# KiCad board ergodonk_pico.kicad_pcb
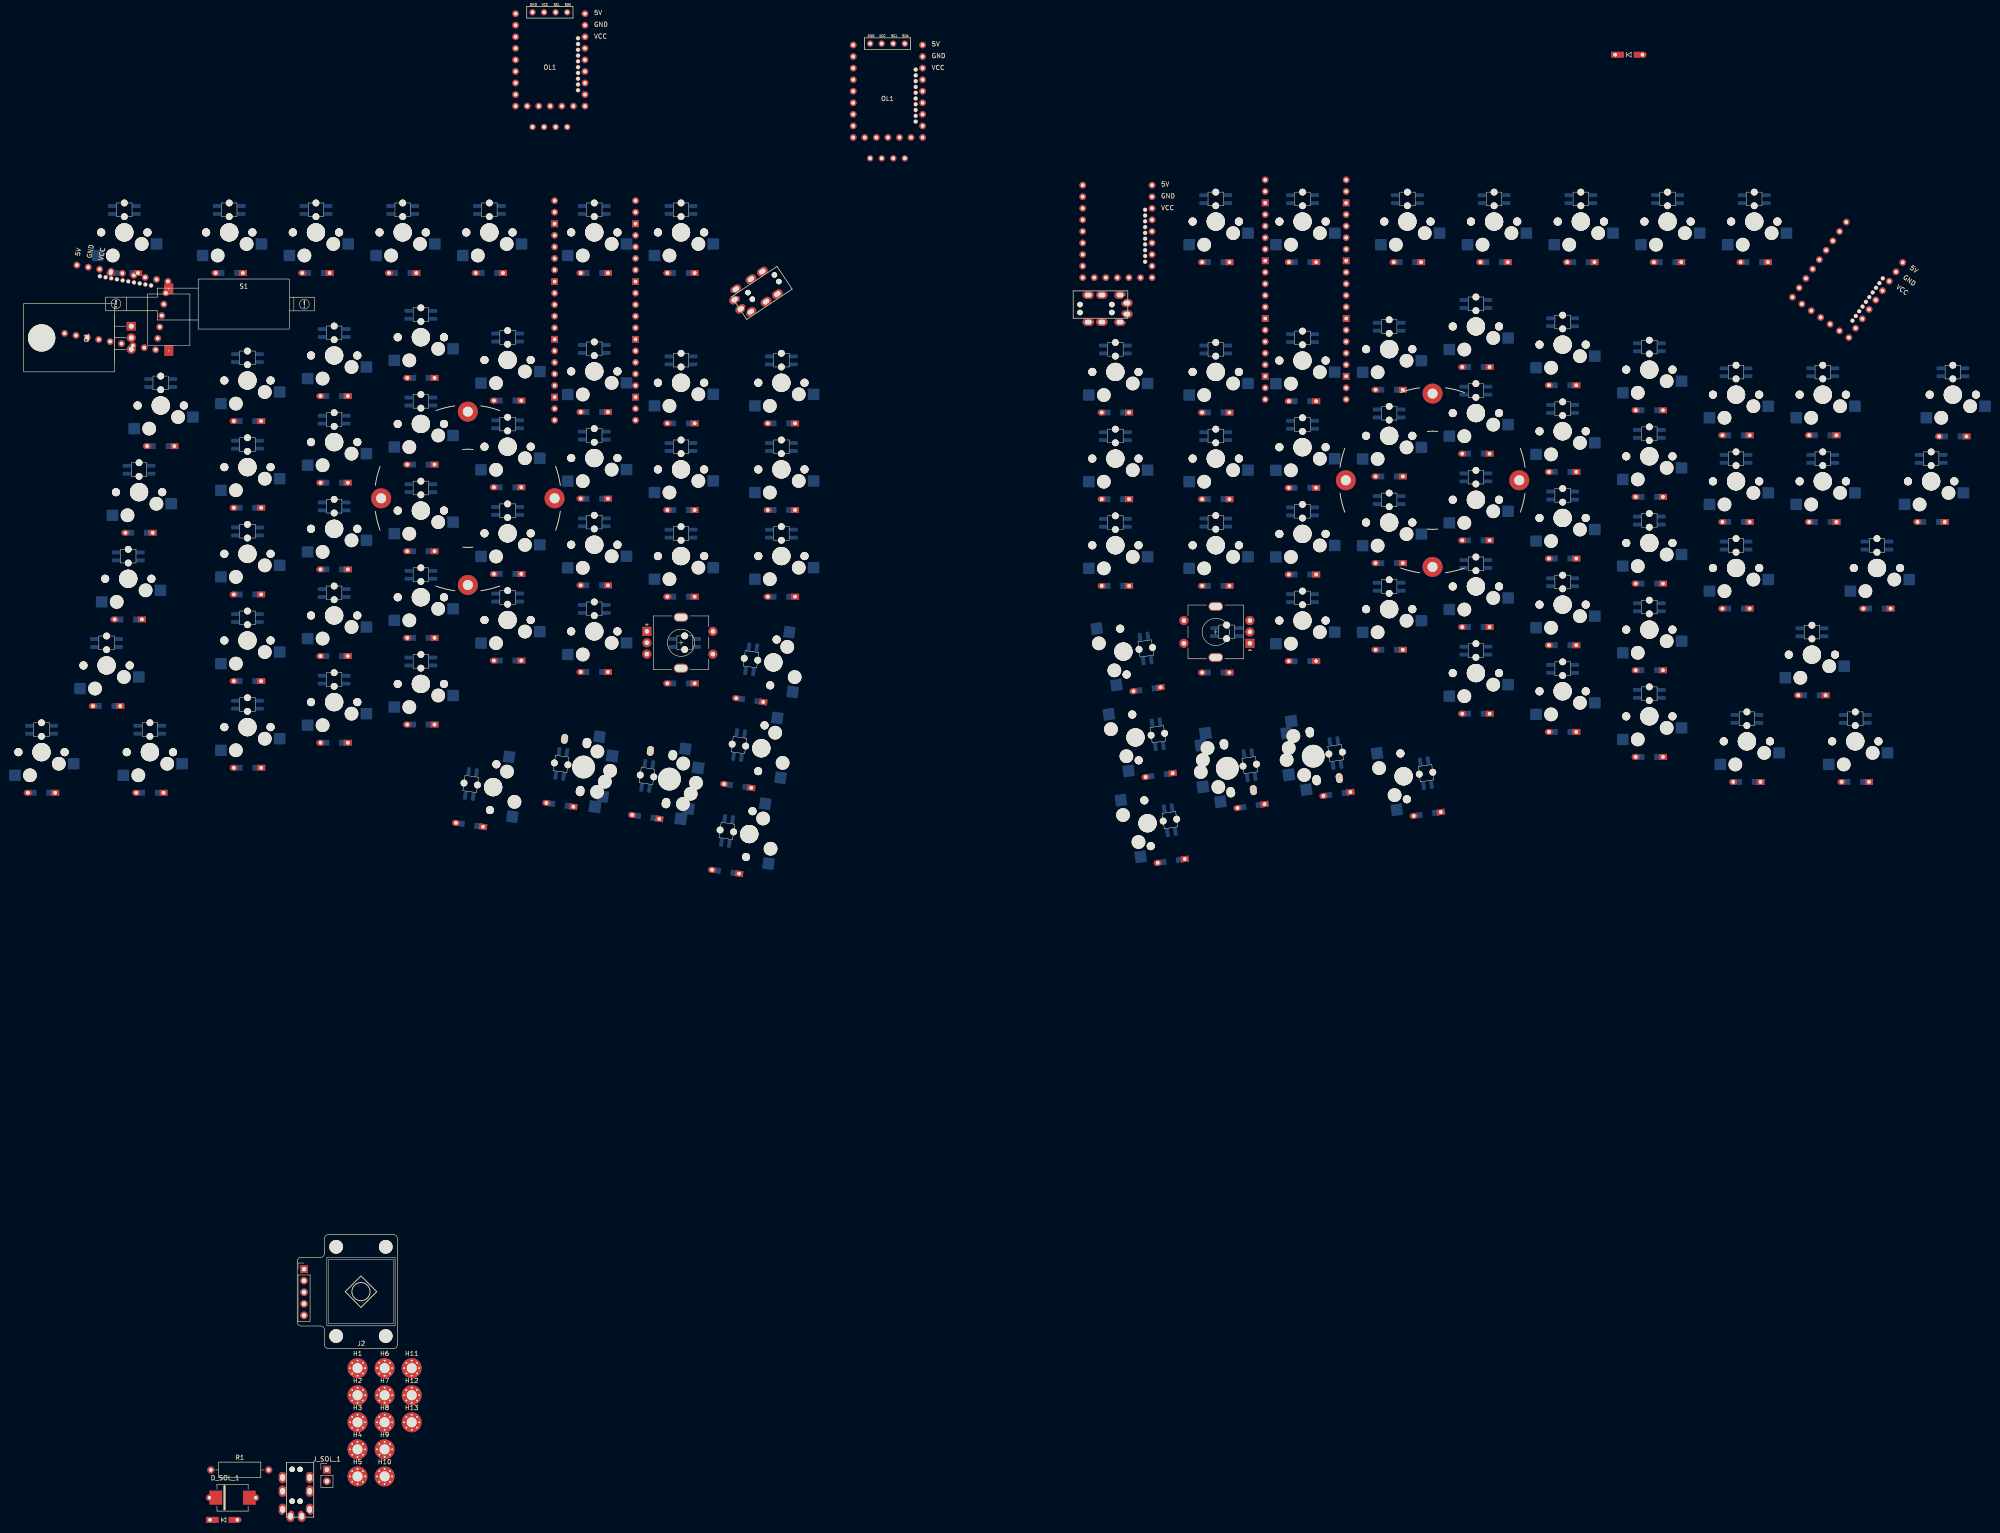
[diagram p0: board, top side]
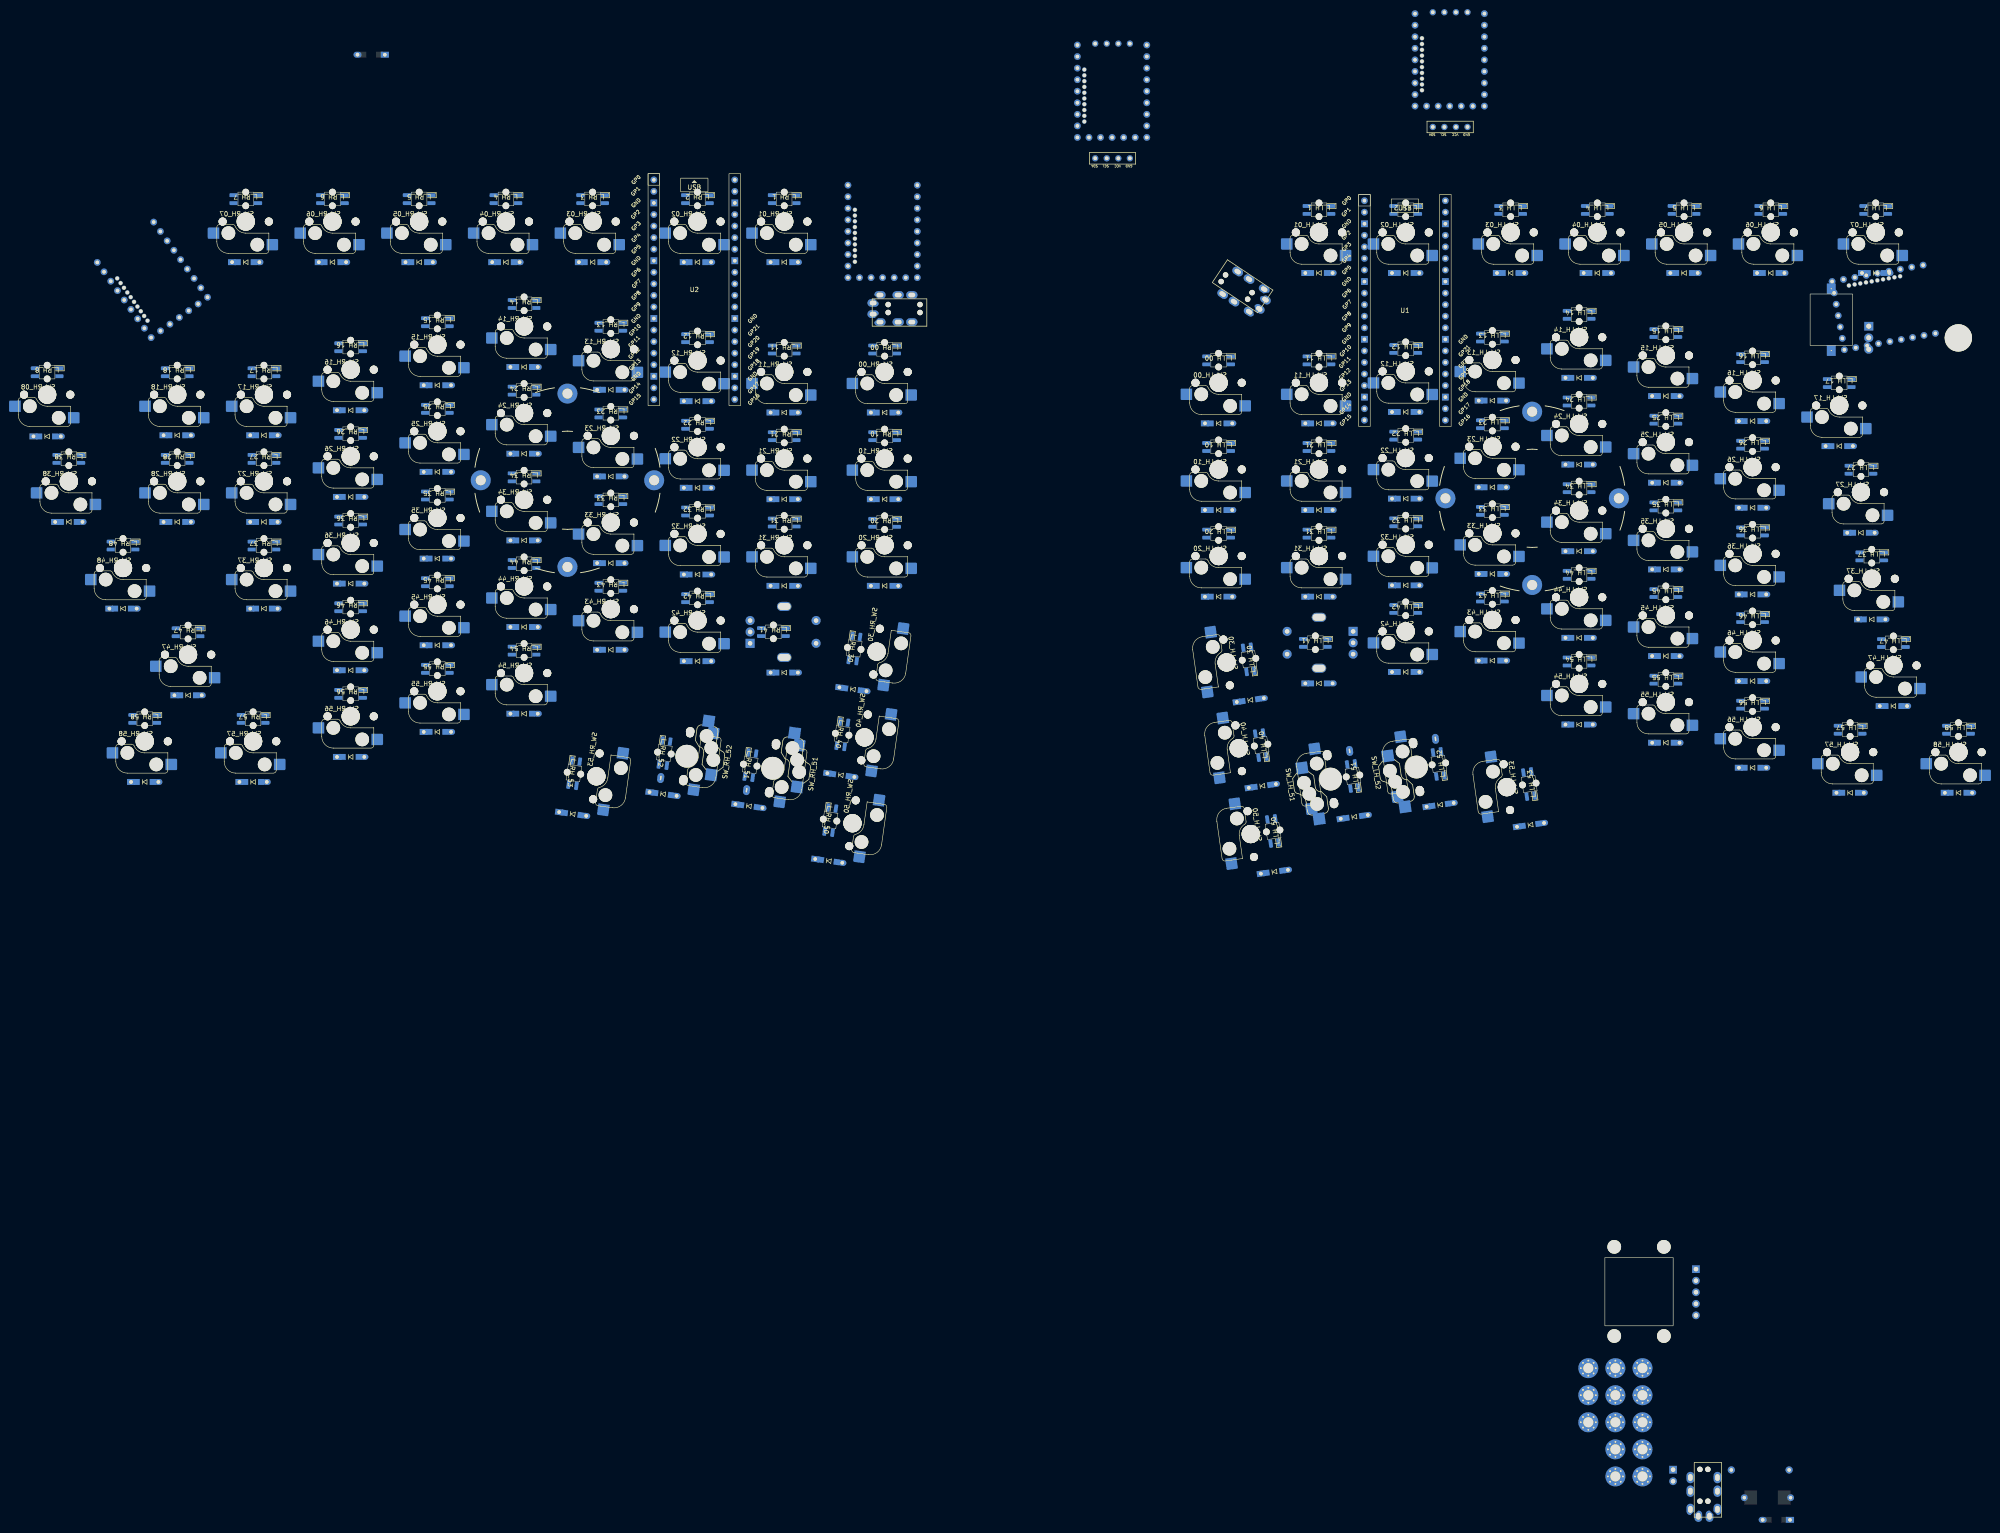
[diagram p1: board, bottom side, seen from below]

Outline 423.29 x 249.19 mm; copper layers: Top, Bottom. Coordinates in mm from the lower left corner of the outline.
Stack: Top 0.035mm / dielectric 1.51mm FR4 er 4.5 / Bottom 0.035mm

## Placement (name value [footprint] x y rotation side)
D1  D  [D3_TH_SMD_v2]  350.41 279.39 0 top
D102  D  [D3_TH_SMD_v2]  41.72 -42.66 0 top
D_LH_00  D  [D3_TH_SMD_v2]  164.24 198.36 180 bottom
D_LH_01  D  [D3_TH_SMD_v2]  142.19 231.41 180 bottom
D_LH_02  D  [D3_TH_SMD_v2]  123.14 231.41 180 bottom
D_LH_03  D  [D3_TH_SMD_v2]  100.09 231.41 180 bottom
D_LH_04  D  [D3_TH_SMD_v2]  81.04 231.41 180 bottom
D_LH_05  D  [D3_TH_SMD_v2]  61.99 231.41 180 bottom
D_LH_06  D  [D3_TH_SMD_v2]  42.94 231.41 180 bottom
D_LH_07  D  [D3_TH_SMD_v2]  19.89 231.41 180 bottom
D_LH_10  D  [D3_TH_SMD_v2]  164.24 179.31 180 bottom
D_LH_11  D  [D3_TH_SMD_v2]  142.19 198.36 180 bottom
D_LH_12  D  [D3_TH_SMD_v2]  123.14 200.86 180 bottom
D_LH_13  D  [D3_TH_SMD_v2]  104.09 203.36 180 bottom
D_LH_14  D  [D3_TH_SMD_v2]  85.04 208.36 180 bottom
D_LH_15  D  [D3_TH_SMD_v2]  65.99 204.36 180 bottom
D_LH_16  D  [D3_TH_SMD_v2]  46.94 198.86 180 bottom
D_LH_17  D  [D3_TH_SMD_v2]  27.89 193.36 180 bottom
D_LH_20  D  [D3_TH_SMD_v2]  164.24 160.26 180 bottom
D_LH_21  D  [D3_TH_SMD_v2]  142.19 179.31 180 bottom
D_LH_22  D  [D3_TH_SMD_v2]  123.14 181.81 180 bottom
D_LH_23  D  [D3_TH_SMD_v2]  104.09 184.31 180 bottom
D_LH_24  D  [D3_TH_SMD_v2]  85.04 189.31 180 bottom
D_LH_25  D  [D3_TH_SMD_v2]  65.99 185.31 180 bottom
D_LH_26  D  [D3_TH_SMD_v2]  46.94 179.81 180 bottom
D_LH_27  D  [D3_TH_SMD_v2]  23.13 174.31 180 bottom
D_LH_30  D  [D3_TH_SMD_v2]  157.28 137.53 172 bottom
D_LH_31  D  [D3_TH_SMD_v2]  142.19 160.26 180 bottom
D_LH_32  D  [D3_TH_SMD_v2]  123.14 162.76 180 bottom
D_LH_33  D  [D3_TH_SMD_v2]  104.09 165.26 180 bottom
D_LH_34  D  [D3_TH_SMD_v2]  85.04 170.26 180 bottom
D_LH_35  D  [D3_TH_SMD_v2]  65.99 166.26 180 bottom
D_LH_36  D  [D3_TH_SMD_v2]  46.94 160.76 180 bottom
D_LH_37  D  [D3_TH_SMD_v2]  20.76 155.27 180 bottom
D_LH_40  D  [D3_TH_SMD_v2]  154.63 118.66 172 bottom
D_LH_41  D  [D3_TH_SMD_v2]  142.19 141.2 180 bottom
D_LH_42  D  [D3_TH_SMD_v2]  123.14 143.71 180 bottom
D_LH_43  D  [D3_TH_SMD_v2]  104.09 146.21 180 bottom
D_LH_44  D  [D3_TH_SMD_v2]  85.04 151.21 180 bottom
D_LH_45  D  [D3_TH_SMD_v2]  65.99 147.21 180 bottom
D_LH_46  D  [D3_TH_SMD_v2]  46.94 141.71 180 bottom
D_LH_47  D  [D3_TH_SMD_v2]  16 136.22 180 bottom
D_LH_50  D  [D3_TH_SMD_v2]  151.98 99.8 172 bottom
D_LH_51  D  [D3_TH_SMD_v2]  134.44 111.86 172 bottom
D_LH_52  D  [D3_TH_SMD_v2]  115.57 114.51 172 bottom
D_LH_53  D  [D3_TH_SMD_v2]  95.72 110.11 172 bottom
D_LH_54  D  [D3_TH_SMD_v2]  85.04 132.16 180 bottom
D_LH_55  D  [D3_TH_SMD_v2]  65.99 128.16 180 bottom
D_LH_56  D  [D3_TH_SMD_v2]  46.94 122.66 180 bottom
D_LH_57  D  [D3_TH_SMD_v2]  25.51 117.16 180 bottom
D_LH_58  D  [D3_TH_SMD_v2]  1.7 117.16 180 bottom
D_RH_00  D  [D3_TH_SMD_v2]  237.62 200.74 180 bottom
D_RH_01  D  [D3_TH_SMD_v2]  259.67 233.79 180 bottom
D_RH_02  D  [D3_TH_SMD_v2]  278.73 233.79 180 bottom
D_RH_03  D  [D3_TH_SMD_v2]  301.77 233.79 180 bottom
D_RH_04  D  [D3_TH_SMD_v2]  320.81 233.79 180 bottom
D_RH_05  D  [D3_TH_SMD_v2]  339.87 233.79 180 bottom
D_RH_06  D  [D3_TH_SMD_v2]  358.92 233.79 180 bottom
D_RH_07  D  [D3_TH_SMD_v2]  377.97 233.79 180 bottom
D_RH_08  D  [D3_TH_SMD_v2]  421.59 195.49 180 bottom
D_RH_10  D  [D3_TH_SMD_v2]  237.62 181.69 180 bottom
D_RH_11  D  [D3_TH_SMD_v2]  259.67 200.74 180 bottom
D_RH_12  D  [D3_TH_SMD_v2]  278.72 203.24 180 bottom
D_RH_13  D  [D3_TH_SMD_v2]  297.77 205.74 180 bottom
D_RH_14  D  [D3_TH_SMD_v2]  316.82 210.74 180 bottom
D_RH_15  D  [D3_TH_SMD_v2]  335.87 206.74 180 bottom
D_RH_16  D  [D3_TH_SMD_v2]  354.92 201.24 180 bottom
D_RH_17  D  [D3_TH_SMD_v2]  373.97 195.74 180 bottom
D_RH_18  D  [D3_TH_SMD_v2]  393.02 195.74 180 bottom
D_RH_20  D  [D3_TH_SMD_v2]  237.62 162.64 180 bottom
D_RH_21  D  [D3_TH_SMD_v2]  259.67 181.69 180 bottom
D_RH_22  D  [D3_TH_SMD_v2]  278.72 184.19 180 bottom
D_RH_23  D  [D3_TH_SMD_v2]  297.77 186.69 180 bottom
D_RH_24  D  [D3_TH_SMD_v2]  316.82 191.69 180 bottom
D_RH_25  D  [D3_TH_SMD_v2]  335.87 187.69 180 bottom
D_RH_26  D  [D3_TH_SMD_v2]  354.92 182.19 180 bottom
D_RH_27  D  [D3_TH_SMD_v2]  373.97 176.69 180 bottom
D_RH_28  D  [D3_TH_SMD_v2]  393.02 176.69 180 bottom
D_RH_30  D  [D3_TH_SMD_v2]  244.58 139.91 188 bottom
D_RH_31  D  [D3_TH_SMD_v2]  259.67 162.64 180 bottom
D_RH_32  D  [D3_TH_SMD_v2]  278.72 165.14 180 bottom
D_RH_33  D  [D3_TH_SMD_v2]  297.77 167.64 180 bottom
D_RH_34  D  [D3_TH_SMD_v2]  316.82 172.64 180 bottom
D_RH_35  D  [D3_TH_SMD_v2]  335.87 168.64 180 bottom
D_RH_36  D  [D3_TH_SMD_v2]  354.92 163.14 180 bottom
D_RH_37  D  [D3_TH_SMD_v2]  373.97 157.64 180 bottom
D_RH_38  D  [D3_TH_SMD_v2]  416.83 176.69 180 bottom
D_RH_40  D  [D3_TH_SMD_v2]  247.23 121.04 188 bottom
D_RH_41  D  [D3_TH_SMD_v2]  259.67 143.58 180 bottom
D_RH_42  D  [D3_TH_SMD_v2]  278.72 146.09 180 bottom
D_RH_43  D  [D3_TH_SMD_v2]  297.77 148.59 180 bottom
D_RH_44  D  [D3_TH_SMD_v2]  316.82 153.59 180 bottom
D_RH_45  D  [D3_TH_SMD_v2]  335.87 149.59 180 bottom
D_RH_46  D  [D3_TH_SMD_v2]  354.92 144.09 180 bottom
D_RH_47  D  [D3_TH_SMD_v2]  390.64 138.59 180 bottom
D_RH_48  D  [D3_TH_SMD_v2]  404.92 157.64 180 bottom
D_RH_50  D  [D3_TH_SMD_v2]  249.88 102.18 188 bottom
D_RH_51  D  [D3_TH_SMD_v2]  267.42 114.24 188 bottom
D_RH_52  D  [D3_TH_SMD_v2]  286.29 116.89 188 bottom
D_RH_53  D  [D3_TH_SMD_v2]  306.14 112.49 188 bottom
D_RH_54  D  [D3_TH_SMD_v2]  316.82 134.54 180 bottom
D_RH_55  D  [D3_TH_SMD_v2]  335.87 130.54 180 bottom
D_RH_56  D  [D3_TH_SMD_v2]  354.92 125.04 180 bottom
D_RH_57  D  [D3_TH_SMD_v2]  376.35 119.54 180 bottom
D_RH_58  D  [D3_TH_SMD_v2]  400.16 119.54 180 bottom
D_SOL_1  MUR340S  [MUR340S_IN4001_TH_HYBRID]  43.67 -37.79 0 top
H1  MountingHole  [MountingHole_2.2mm_M2_Pad_Via]  71.13 -9.31 0 top
H2  MountingHole  [MountingHole_2.2mm_M2_Pad_Via]  71.13 -15.27 0 top
H3  MountingHole  [MountingHole_2.2mm_M2_Pad_Via]  71.13 -21.21 0 top
H4  MountingHole  [MountingHole_2.2mm_M2_Pad_Via]  71.13 -27.17 0 top
H5  MountingHole  [MountingHole_2.2mm_M2_Pad_Via]  71.13 -33.11 0 top
H6  MountingHole  [MountingHole_2.2mm_M2_Pad_Via]  77.08 -9.31 0 top
H7  MountingHole  [MountingHole_2.2mm_M2_Pad_Via]  77.08 -15.27 0 top
H8  MountingHole  [MountingHole_2.2mm_M2_Pad_Via]  77.08 -21.21 0 top
H9  MountingHole  [MountingHole_2.2mm_M2_Pad_Via]  77.08 -27.17 0 top
H10  MountingHole  [MountingHole_2.2mm_M2_Pad_Via]  77.08 -33.11 0 top
H11  MountingHole  [MountingHole_2.2mm_M2_Pad_Via]  83.03 -9.31 0 top
H12  MountingHole  [MountingHole_2.2mm_M2_Pad_Via]  83.03 -15.27 0 top
H13  MountingHole  [MountingHole_2.2mm_M2_Pad_Via]  83.03 -21.21 0 top
H14  Tenting puck mount  [Tenting_Puck.kicad_mod_nocenter]  95.36 181.88 0 top
H15  Tenting puck mount  [Tenting_Puck.kicad_mod_nocenter]  307.29 185.85 0 top
J1  AudioJack4  [MJ-4PP-9_CANTOR_KITCHEN_SINK]  164.94 230.36 303.7 top
J2  Pimaroni Trackball  [pimoroni_trackball]  59.38 12.45 0 top
J3  AudioJack4  [MJ-4PP-9_CANTOR_KITCHEN_SINK]  58.51 -30.06 0 top
J4  AudioJack4  [MJ-4PP-9_CANTOR_KITCHEN_SINK]  228.34 224.47 90 top
J_SOL_1  Conn_01x02_Female  [PinHeader_1x02_P2.54mm_Vertical]  64.41 -31.64 0 top
L_LH_00  SK6812MINI-E  [SK6812-MINI-E]  164.24 212.24 180 bottom
L_LH_1  SK6812MINI-E  [SK6812-MINI-E]  142.19 245.29 180 bottom
L_LH_2  SK6812MINI-E  [SK6812-MINI-E]  123.14 245.29 180 bottom
L_LH_3  SK6812MINI-E  [SK6812-MINI-E]  100.09 245.29 180 bottom
L_LH_4  SK6812MINI-E  [SK6812-MINI-E]  81.04 245.29 180 bottom
L_LH_5  SK6812MINI-E  [SK6812-MINI-E]  61.99 245.29 180 bottom
L_LH_6  SK6812MINI-E  [SK6812-MINI-E]  42.94 245.29 180 bottom
L_LH_7  SK6812MINI-E  [SK6812-MINI-E]  19.89 245.29 180 bottom
L_LH_10  SK6812MINI-E  [SK6812-MINI-E]  164.24 193.19 180 bottom
L_LH_11  SK6812MINI-E  [SK6812-MINI-E]  142.19 212.24 180 bottom
L_LH_12  SK6812MINI-E  [SK6812-MINI-E]  123.14 214.74 180 bottom
L_LH_13  SK6812MINI-E  [SK6812-MINI-E]  104.09 217.24 180 bottom
L_LH_14  SK6812MINI-E  [SK6812-MINI-E]  85.04 222.24 180 bottom
L_LH_15  SK6812MINI-E  [SK6812-MINI-E]  65.99 218.24 180 bottom
L_LH_16  SK6812MINI-E  [SK6812-MINI-E]  46.94 212.74 180 bottom
L_LH_17  SK6812MINI-E  [SK6812-MINI-E]  27.89 207.24 180 bottom
L_LH_20  SK6812MINI-E  [SK6812-MINI-E]  164.24 174.14 180 bottom
L_LH_21  SK6812MINI-E  [SK6812-MINI-E]  142.19 193.19 180 bottom
L_LH_22  SK6812MINI-E  [SK6812-MINI-E]  123.14 195.69 180 bottom
L_LH_23  SK6812MINI-E  [SK6812-MINI-E]  104.09 198.19 180 bottom
L_LH_24  SK6812MINI-E  [SK6812-MINI-E]  85.04 203.19 180 bottom
L_LH_25  SK6812MINI-E  [SK6812-MINI-E]  65.99 199.19 180 bottom
L_LH_26  SK6812MINI-E  [SK6812-MINI-E]  46.94 193.69 180 bottom
L_LH_27  SK6812MINI-E  [SK6812-MINI-E]  23.13 188.19 180 bottom
L_LH_30  SK6812MINI-E  [SK6812-MINI-E]  157.57 146.5 262 bottom
L_LH_31  SK6812MINI-E  [SK6812-MINI-E]  142.19 174.14 180 bottom
L_LH_32  SK6812MINI-E  [SK6812-MINI-E]  123.14 176.64 180 bottom
L_LH_33  SK6812MINI-E  [SK6812-MINI-E]  104.09 179.14 180 bottom
L_LH_34  SK6812MINI-E  [SK6812-MINI-E]  85.04 184.14 180 bottom
L_LH_35  SK6812MINI-E  [SK6812-MINI-E]  65.99 180.14 180 bottom
L_LH_36  SK6812MINI-E  [SK6812-MINI-E]  46.94 174.64 180 bottom
L_LH_37  SK6812MINI-E  [SK6812-MINI-E]  20.76 169.16 180 bottom
L_LH_40  SK6812MINI-E  [SK6812-MINI-E]  154.92 127.64 262 bottom
L_LH_41  SK6812MINI-E  [SK6812-MINI-E]  142.99 150.13 180 bottom
L_LH_42  SK6812MINI-E  [SK6812-MINI-E]  123.14 157.59 180 bottom
L_LH_43  SK6812MINI-E  [SK6812-MINI-E]  104.09 160.09 180 bottom
L_LH_44  SK6812MINI-E  [SK6812-MINI-E]  85.04 165.09 180 bottom
L_LH_45  SK6812MINI-E  [SK6812-MINI-E]  65.99 161.09 180 bottom
L_LH_46  SK6812MINI-E  [SK6812-MINI-E]  46.94 155.59 180 bottom
L_LH_47  SK6812MINI-E  [SK6812-MINI-E]  16 150.11 180 bottom
L_LH_50  SK6812MINI-E  [SK6812-MINI-E]  152.27 108.77 262 bottom
L_LH_51  SK6812MINI-E  [SK6812-MINI-E]  134.73 120.85 262 bottom
L_LH_52  SK6812MINI-E  [SK6812-MINI-E]  115.87 123.51 262 bottom
L_LH_53  SK6812MINI-E  [SK6812-MINI-E]  96.01 119.08 262 bottom
L_LH_54  SK6812MINI-E  [SK6812-MINI-E]  85.04 146.04 180 bottom
L_LH_55  SK6812MINI-E  [SK6812-MINI-E]  65.99 142.04 180 bottom
L_LH_56  SK6812MINI-E  [SK6812-MINI-E]  46.94 136.54 180 bottom
L_LH_57  SK6812MINI-E  [SK6812-MINI-E]  25.51 131.04 180 bottom
L_LH_58  SK6812MINI-E  [SK6812-MINI-E]  1.7 131.04 180 bottom
L_RH_00  SK6812MINI-E  [SK6812-MINI-E]  237.62 214.62 180 bottom
L_RH_1  SK6812MINI-E  [SK6812-MINI-E]  259.67 247.68 180 bottom
L_RH_2  SK6812MINI-E  [SK6812-MINI-E]  278.73 247.68 180 bottom
L_RH_3  SK6812MINI-E  [SK6812-MINI-E]  301.77 247.68 180 bottom
L_RH_4  SK6812MINI-E  [SK6812-MINI-E]  320.81 247.68 180 bottom
L_RH_5  SK6812MINI-E  [SK6812-MINI-E]  339.87 247.68 180 bottom
L_RH_6  SK6812MINI-E  [SK6812-MINI-E]  358.92 247.68 180 bottom
L_RH_7  SK6812MINI-E  [SK6812-MINI-E]  377.97 247.68 180 bottom
L_RH_8  SK6812MINI-E  [SK6812-MINI-E]  421.59 209.62 180 bottom
L_RH_10  SK6812MINI-E  [SK6812-MINI-E]  237.62 195.57 180 bottom
L_RH_11  SK6812MINI-E  [SK6812-MINI-E]  259.67 214.62 180 bottom
L_RH_12  SK6812MINI-E  [SK6812-MINI-E]  278.72 217.12 180 bottom
L_RH_13  SK6812MINI-E  [SK6812-MINI-E]  297.77 219.62 180 bottom
L_RH_14  SK6812MINI-E  [SK6812-MINI-E]  316.82 224.62 180 bottom
L_RH_15  SK6812MINI-E  [SK6812-MINI-E]  335.87 220.62 180 bottom
L_RH_16  SK6812MINI-E  [SK6812-MINI-E]  354.92 215.12 180 bottom
L_RH_17  SK6812MINI-E  [SK6812-MINI-E]  373.97 209.62 180 bottom
L_RH_18  SK6812MINI-E  [SK6812-MINI-E]  393.02 209.62 180 bottom
L_RH_20  SK6812MINI-E  [SK6812-MINI-E]  237.62 176.53 180 bottom
L_RH_21  SK6812MINI-E  [SK6812-MINI-E]  259.67 195.57 180 bottom
L_RH_22  SK6812MINI-E  [SK6812-MINI-E]  278.72 198.07 180 bottom
L_RH_23  SK6812MINI-E  [SK6812-MINI-E]  297.77 200.57 180 bottom
L_RH_24  SK6812MINI-E  [SK6812-MINI-E]  316.82 205.57 180 bottom
L_RH_25  SK6812MINI-E  [SK6812-MINI-E]  335.87 201.57 180 bottom
L_RH_26  SK6812MINI-E  [SK6812-MINI-E]  354.92 196.07 180 bottom
L_RH_27  SK6812MINI-E  [SK6812-MINI-E]  373.97 190.57 180 bottom
L_RH_28  SK6812MINI-E  [SK6812-MINI-E]  393.02 190.57 180 bottom
L_RH_30  SK6812MINI-E  [SK6812-MINI-E]  244.29 148.88 98 bottom
L_RH_31  SK6812MINI-E  [SK6812-MINI-E]  259.67 176.58 180 bottom
L_RH_32  SK6812MINI-E  [SK6812-MINI-E]  278.72 179.03 180 bottom
L_RH_33  SK6812MINI-E  [SK6812-MINI-E]  297.77 181.53 180 bottom
L_RH_34  SK6812MINI-E  [SK6812-MINI-E]  316.82 186.53 180 bottom
L_RH_35  SK6812MINI-E  [SK6812-MINI-E]  335.87 182.53 180 bottom
L_RH_36  SK6812MINI-E  [SK6812-MINI-E]  354.92 177.03 180 bottom
L_RH_37  SK6812MINI-E  [SK6812-MINI-E]  373.97 171.53 180 bottom
L_RH_38  SK6812MINI-E  [SK6812-MINI-E]  416.83 190.57 180 bottom
L_RH_40  SK6812MINI-E  [SK6812-MINI-E]  246.94 130.02 98 bottom
L_RH_41  SK6812MINI-E  [SK6812-MINI-E]  262.05 152.52 180 bottom
L_RH_42  SK6812MINI-E  [SK6812-MINI-E]  278.72 159.98 180 bottom
L_RH_43  SK6812MINI-E  [SK6812-MINI-E]  297.77 162.48 180 bottom
L_RH_44  SK6812MINI-E  [SK6812-MINI-E]  316.82 167.48 180 bottom
L_RH_45  SK6812MINI-E  [SK6812-MINI-E]  335.87 163.48 180 bottom
L_RH_46  SK6812MINI-E  [SK6812-MINI-E]  354.92 157.98 180 bottom
L_RH_47  SK6812MINI-E  [SK6812-MINI-E]  390.64 152.48 180 bottom
L_RH_48  SK6812MINI-E  [SK6812-MINI-E]  404.92 171.53 180 bottom
L_RH_50  SK6812MINI-E  [SK6812-MINI-E]  249.59 111.15 98 bottom
L_RH_51  SK6812MINI-E  [SK6812-MINI-E]  267.13 123.24 98 bottom
L_RH_52  SK6812MINI-E  [SK6812-MINI-E]  285.99 125.89 98 bottom
L_RH_53  SK6812MINI-E  [SK6812-MINI-E]  305.85 121.46 98 bottom
L_RH_54  SK6812MINI-E  [SK6812-MINI-E]  316.82 148.43 180 bottom
L_RH_55  SK6812MINI-E  [SK6812-MINI-E]  335.87 144.43 180 bottom
L_RH_56  SK6812MINI-E  [SK6812-MINI-E]  354.92 138.93 180 bottom
L_RH_57  SK6812MINI-E  [SK6812-MINI-E]  376.35 133.43 180 bottom
L_RH_58  SK6812MINI-E  [SK6812-MINI-E]  400.16 133.43 180 bottom